# Altium PCB rpi_CM4_CAN_board.PcbDoc
Units mm, origin at the board's own origin, x right, y up, seen from the top; angles counter-clockwise.
Board outline 91.6 x 81.8 mm, 4 copper layers (Top Copper, Signal Layer 1, Signal Layer 2, Bottom Copper), stack 1.57 mm thick; 59 components, 43 nets, 371 pads, 120 vias.
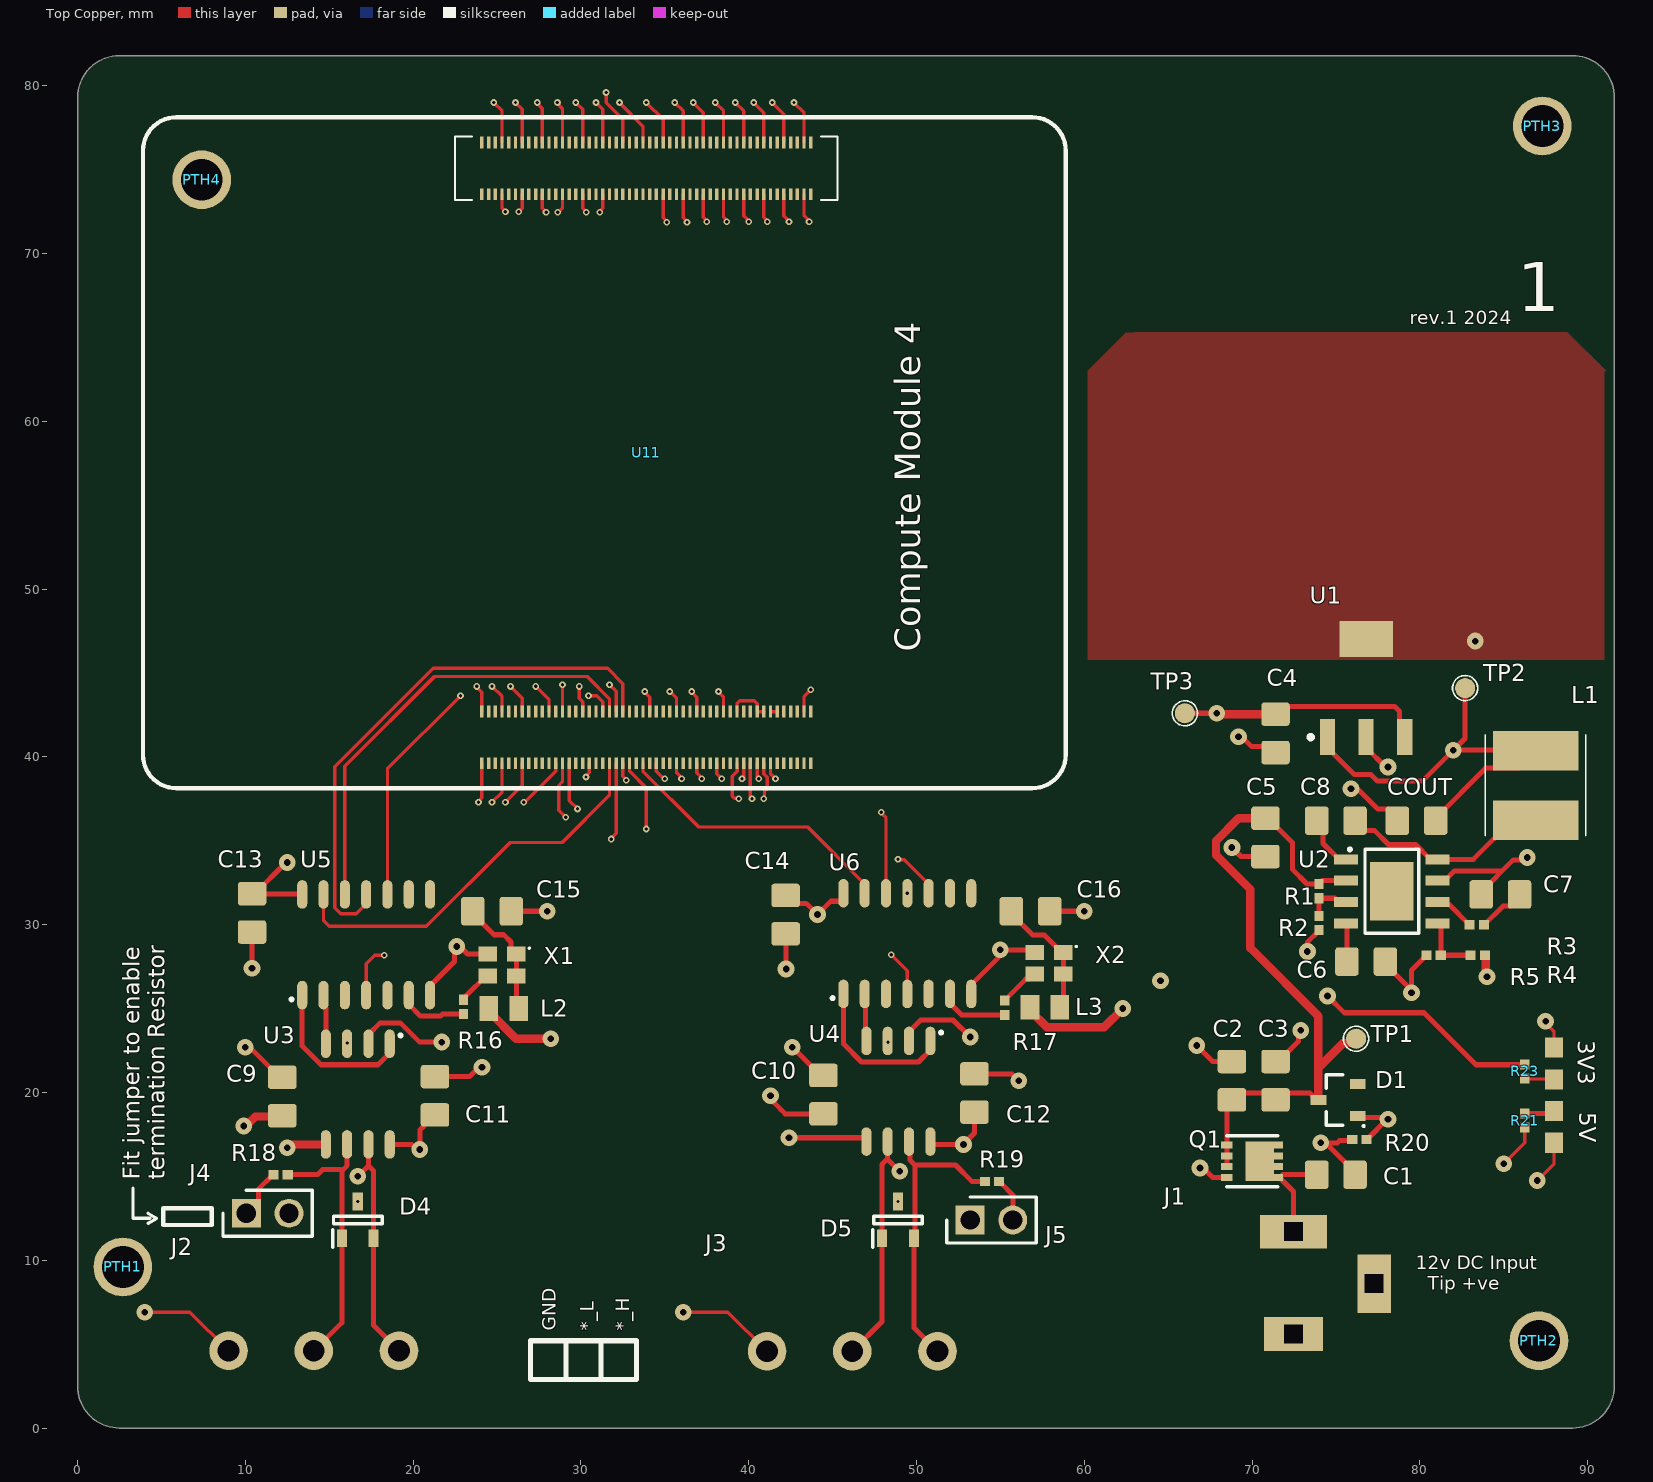
[diagram p0: Top Copper view]
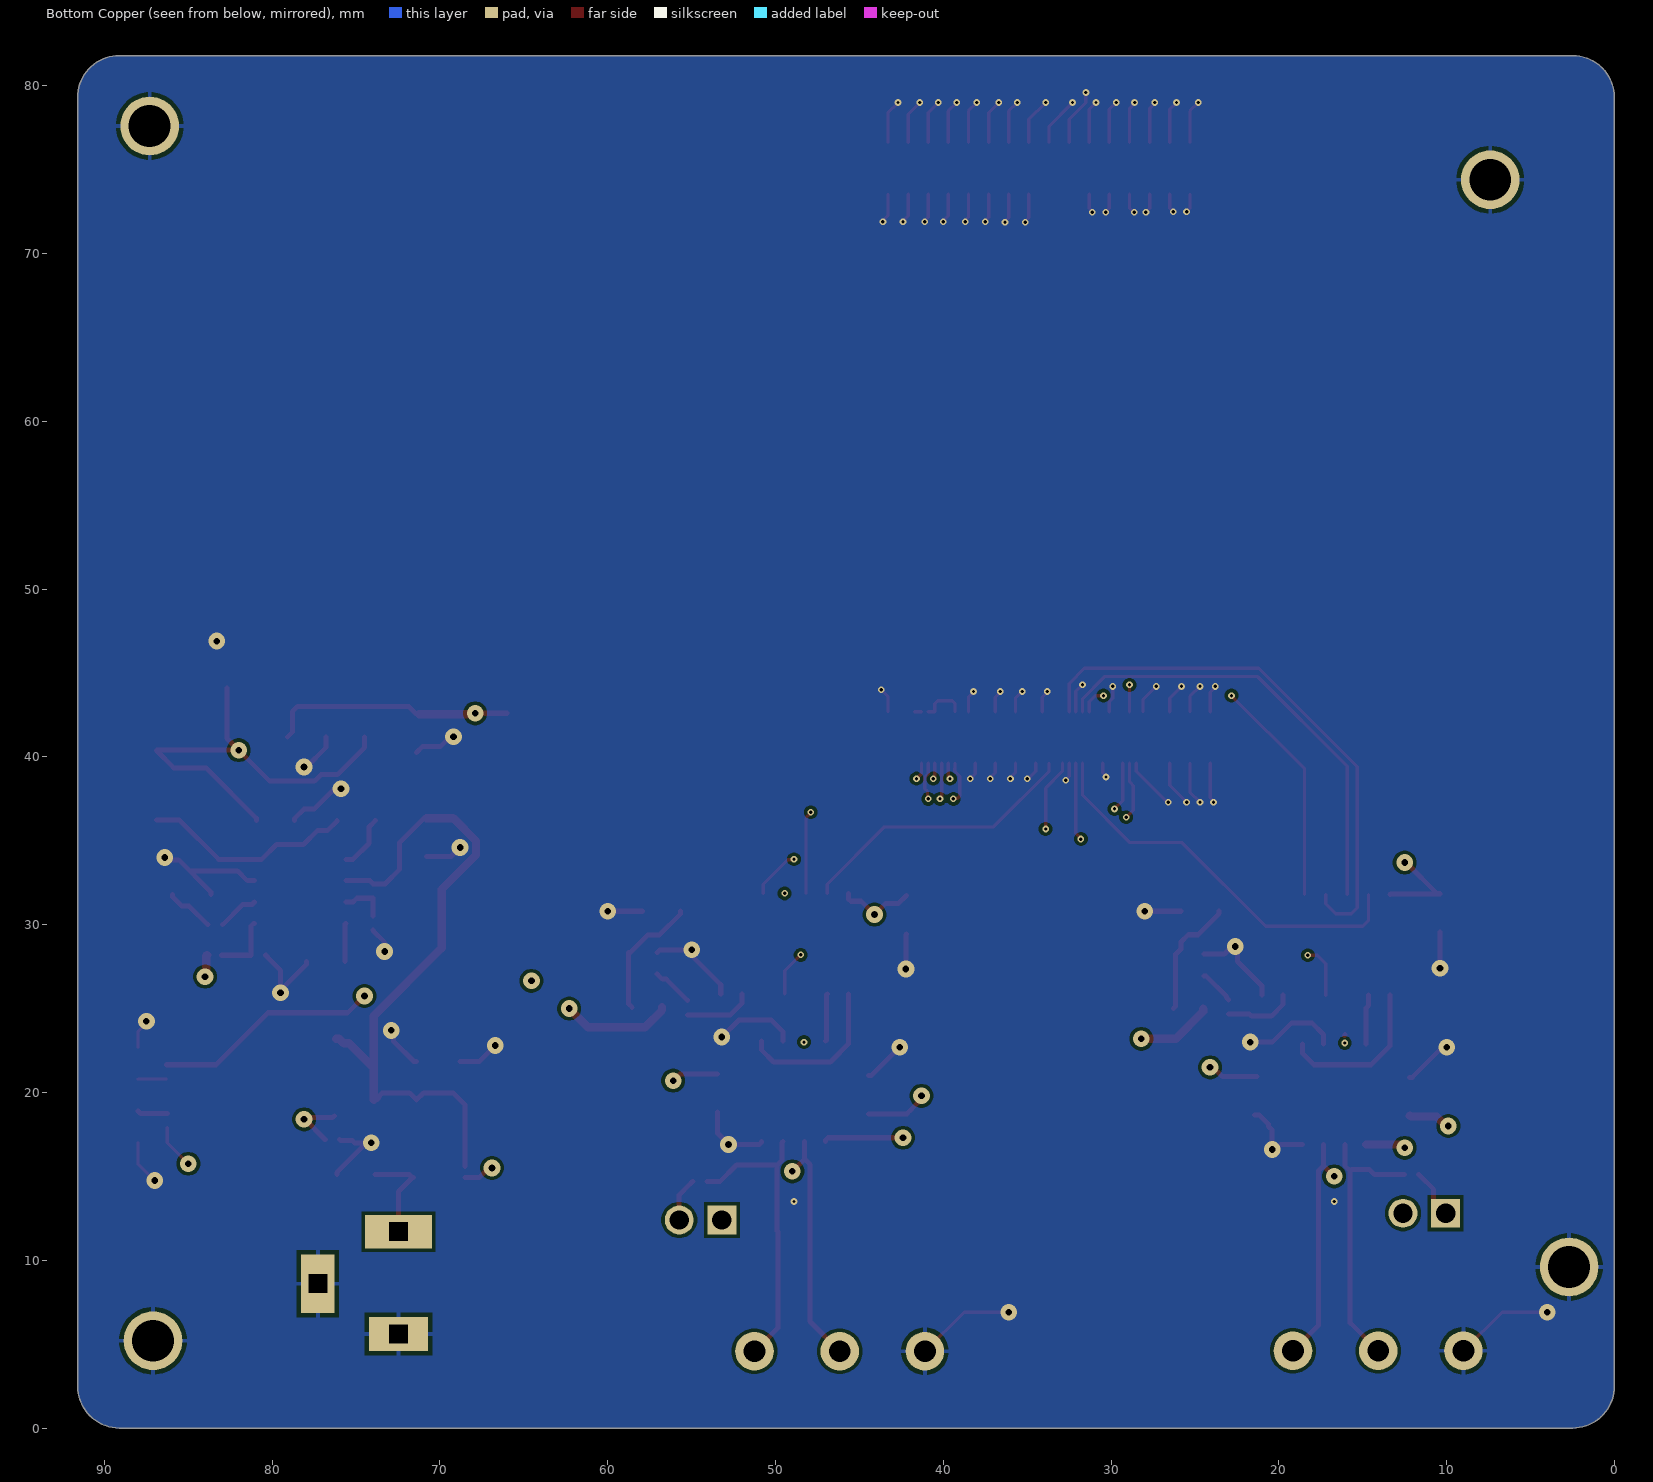
[diagram p1: Bottom Copper view, seen from below]
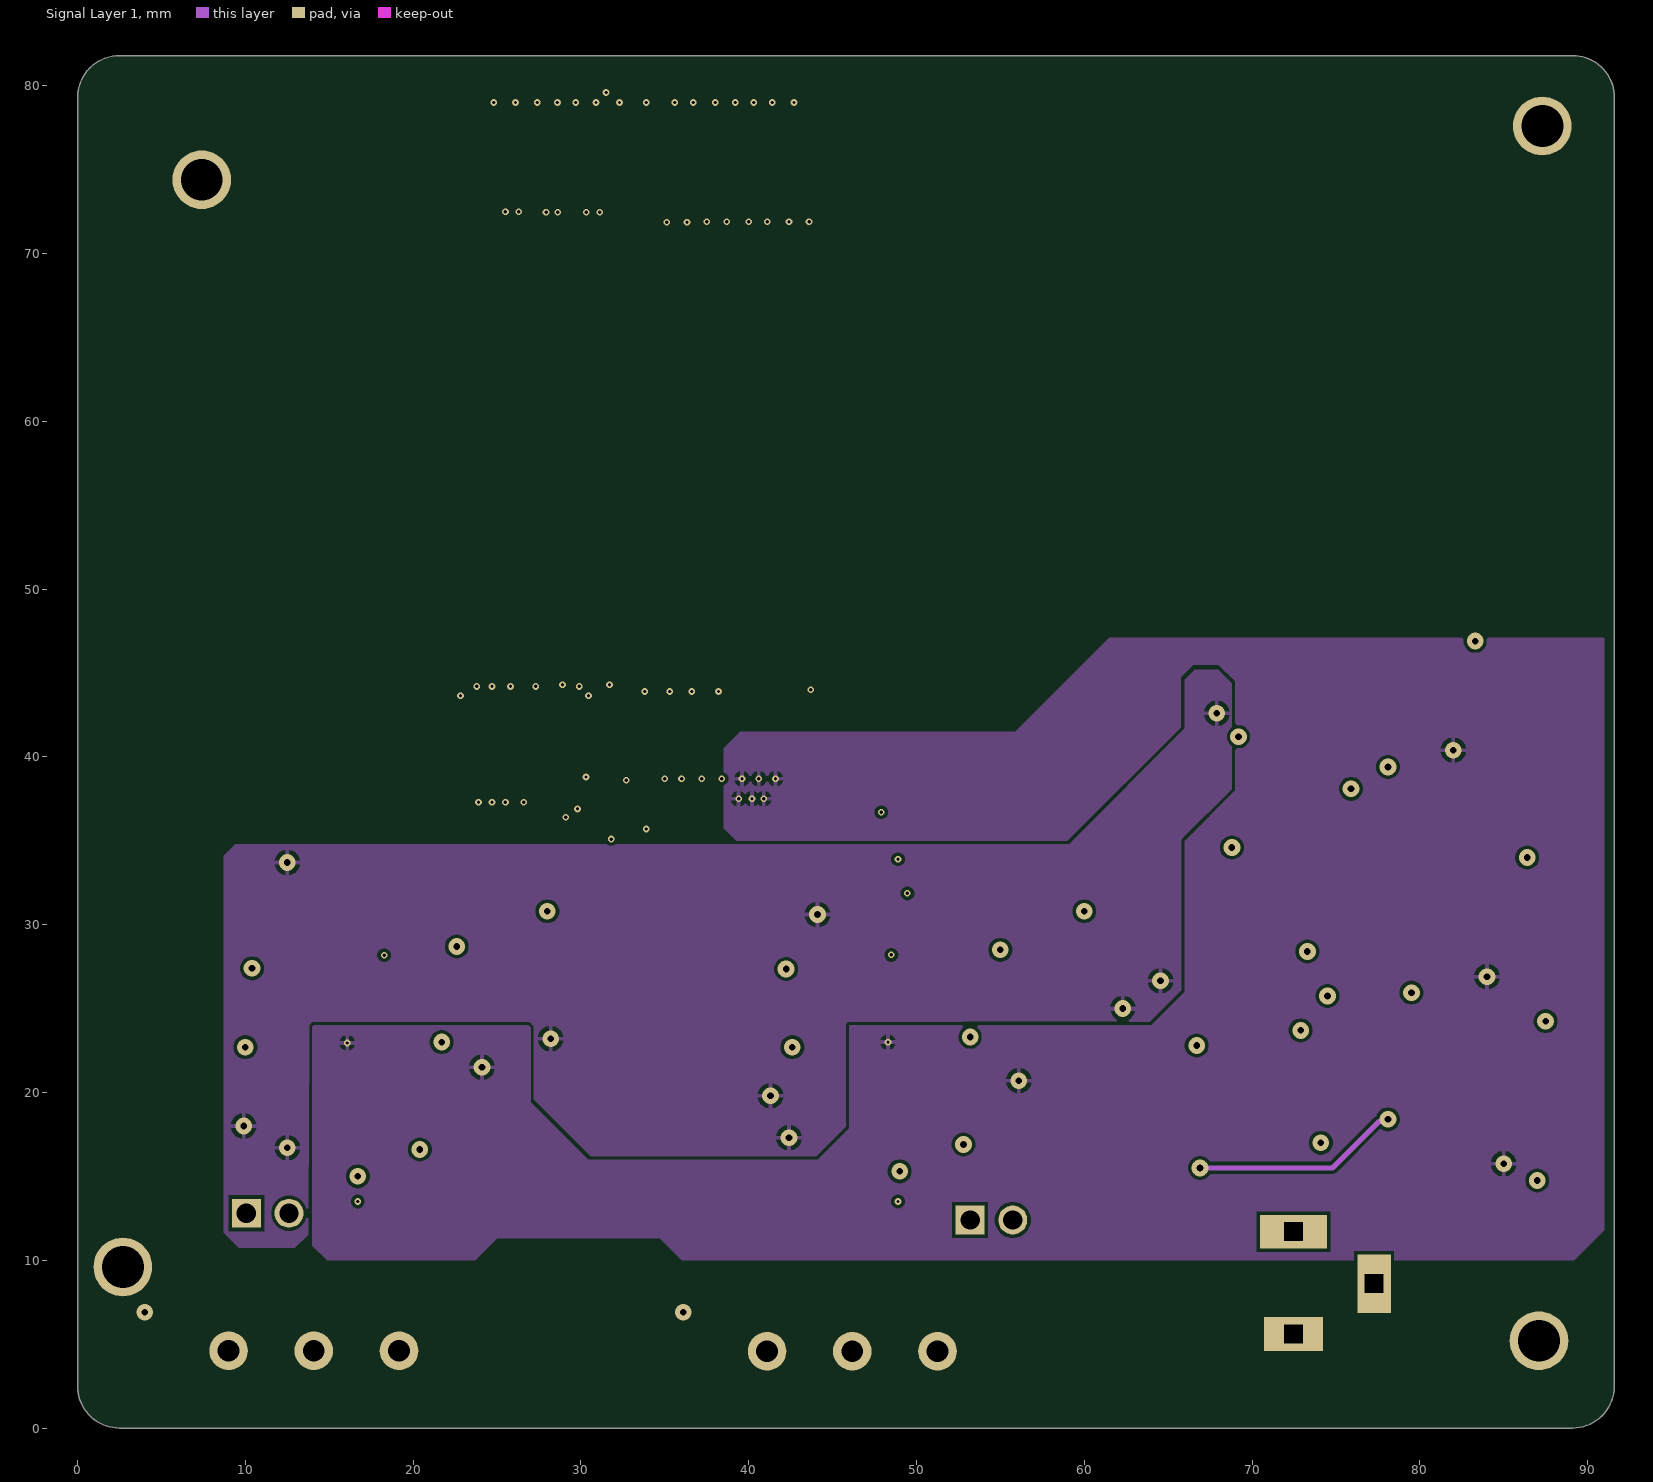
[diagram p2: Signal Layer 1]
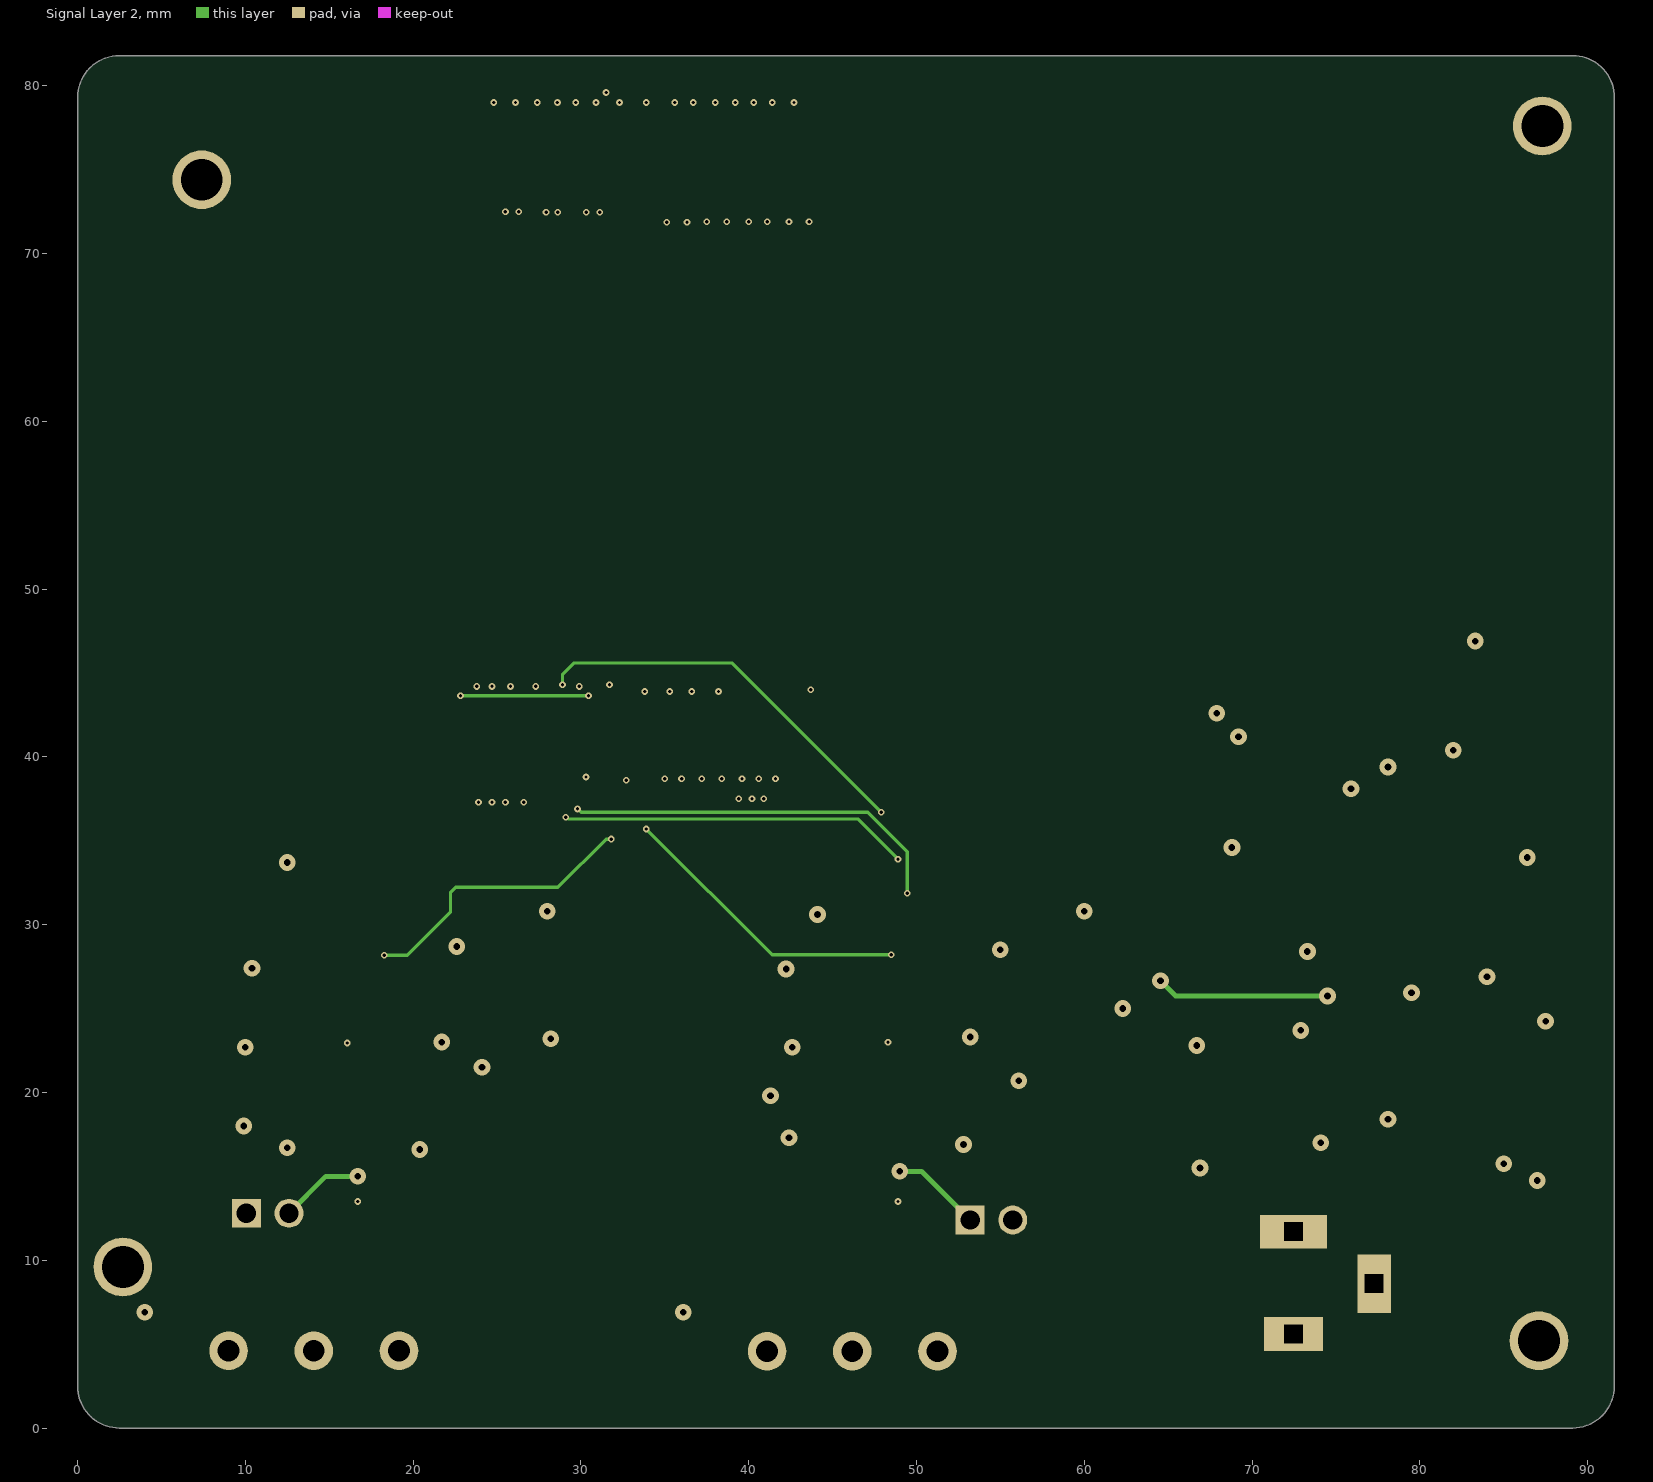
[diagram p3: Signal Layer 2]

## Layer stack, top to bottom
Top Mask: solder mask 0.015, Solder Resist, Dk 3.8
Top Copper: signal copper 0.035
Dielectric 1: prepreg 0.1, 2313, Dk 4.05
Signal Layer 1: signal copper 0.0175
Core: core 1.265, FR-4, Dk 4.5
Signal Layer 2: signal copper 0.0175
Dielectric 2: prepreg 0.1, 2313, Dk 4.05
Bottom Copper: signal copper 0.035
Bottom Mask: solder mask 0.015, Solder Resist, Dk 3.8

## Board outline
0,2.5 ccw(c2.5,2.5) 2.5,0 89.1,0 ccw(c89.1,2.5) 91.6,2.5 91.6,79.3 ccw(c89.1,79.3) 89.1,81.8 2.5,81.8 ccw(c2.5,79.3) 0,79.3

## Design rules (kind name [scope] priority, off if disabled: settings)
Clearance [All] p1: gap=0.2 ignorepadtopadclearanceinfootprint=FALSE
HoleSize [All] p1: absolutevalues=TRUE maxlimit=3.5 minlimit=0.025 maxpercent=80.000 minpercent=20.000
MinimumSolderMaskSliver [All] p1: minsoldermaskwidth=0.1
PlaneConnect [All] p1: planeconnectstyle=Relief reliefexpansion=0.508 reliefentries=2 reliefconductorwidth=0.254 reliefairgap=0.254
PolygonConnect PolygonConnect_1 [InNet('GND')] p1: connectstyle=Direct reliefconductorwidth=0 reliefentries=4 polygonreliefangle="90 Angle" airgapwidth=0
PolygonConnect [All] p2: connectstyle=Relief reliefconductorwidth=0.254 reliefentries=4 polygonreliefangle="90 Angle" airgapwidth=0.254
RoutingVias RoutingVias_1 [All] p1: holewidth=0.4 width=1 viastyle="Through Hole" minholewidth=0.4 minwidth=1 maxholewidth=0.4 maxwidth=1
RoutingVias RoutingVias_2 [All] p2: holewidth=0.2 width=0.4 viastyle="Through Hole" minholewidth=0.2 minwidth=0.4 maxholewidth=0.2 maxwidth=0.4
RoutingVias [All] p3: holewidth=0.4 width=0.5 viastyle="Through Hole" minholewidth=0.4 minwidth=0.5 maxholewidth=0.4 maxwidth=0.5
SilkToSolderMaskClearance [IsPad] p1: minsilkscreentomaskgap=0.095 clearancetoexposedcopper=TRUE
SolderMaskExpansion [All] p1: expansion=0.05 istentingtop=FALSE
Width WidthPWR [All] p1: maxlimit=0.5 minlimit=0.2 preferedwidth=0.3 midlayer1_maxwidth=0.3 midlayer2_maxwidth=0.3 bottomlayer_maxwidth=0.3 minimp=50.000000 maximp=50.000000 favimp=50.000000
Width [All] p2: maxlimit=0.2 minlimit=0.1 preferedwidth=0.2
Width Width_5V [All] p3: maxlimit=1 minlimit=0.254 preferedwidth=1 toplayer_minwidth=1 midlayer1_maxwidth=0.254 midlayer1_prefwidth=0.254 midlayer2_maxwidth=0.254 midlayer2_prefwidth=0.254 bottomlayer_minwidth=1 minimp=50.000000 maximp=50.000000 favimp=50.000000
26 further rules are at their usual default settings.

## Components (designator, comment, footprint, x,y, rotation, side; value= is the part's Value field where it differs from the comment)
3V3 "led" LED_fp 88,21.725 r270 top
5V "led" LED_fp 88,17.95 r90 top
C1 "100n" CAP_0805 75,15.1 r180 top
C2 "100n" CAP_0805 68.8,20.7 r270 top
C3 "10u" CAP_0805 71.4,20.7 r270 top
C4 "0.1uF" CAP_0805 71.4,41.4 r90 top
C5 "10uF" CAP_0805 70.8,35.2 r90 top
C6 "10nF" CAP_0805 76.8,27.8 r180 top
C7 "2.7nF" CAP_0805 84.8,31.8 r0 top
C8 "100nF" CAP_0805 75,36.2 r180 top
C9 "100nF" CAP_0805 12.2,19.757 r270 top
C10 "100nF" CAP_0805 44.455,19.869 r270 top
C11 "100nF" CAP_0805 21.3,19.8 r90 top
C12 "100nF" CAP_0805 53.455,19.969 r90 top
C13 "100nF" CAP_0805 10.4,30.7 r270 top
C14 "100nF" CAP_0805 42.2,30.6 r270 top
C15 "100nF" CAP_0805 24.7,30.8 r0 top
C16 "100nF" CAP_0805 56.8,30.8 r0 top
COUT "COUT" CAP_0805 79.8,36.2 r0 top
D1 "MMBZ52" MMBZ52 75.125,19.55 r180 top
D4 "PESD2CANFD27L-TR" SOT95P230X110-3N 16.7,12.4 r90 top
D5 "PESD2CANFD27L-TR" SOT95P230X110-3N 48.9,12.4 r90 top
J1 "Barrel_Jack" "power jack" 72.474,8.601 r270 top
J2 "CAN_CONN" Terminal 14.08,4.6 r0 top
J3 "CAN_CONN" Terminal 46.175,4.569 r0 top
J4 "2-way-pin-header" HDRV2W66P0X254_1X2_508X249X1067P 10.06,12.8 r0 top
J5 "2-way-pin-header" HDRV2W66P0X254_1X2_508X249X1067P 53.2,12.4 r0 top
L1 "3.3uH" SRN6045TA330M 86.9,38.3 r0 top
L2 "220R 2A" L_0805 25.4,25 r180 top
L3 "220R 2A" L_0805 57.655,25.069 r180 top
PTH1 "PTH?" mh_fp 2.7,9.6 r0 top
PTH2 "PTH?" mh_fp 87.1,5.2 r0 top
PTH3 "PTH?" mh_fp 87.3,77.6 r0 top
PTH4 "PTH?" mh_fp 7.4,74.4 r0 top
Q1 "Q1" DMP3036SFV7 70,15.9 r270 top
R1 "R3_value" RES0402 74,32 r90 top
R2 "R4_value" RES0402 74,30.1 r90 top
R3 "15.8K" RES0402 83.4,30 r180 top
R4 "115K" RES0402 83.453,28.176 r0 top
R5 "22.1K" RES0402 80.825,28.176 r0 top
R16 "33R" RES0402 23,25.1 r270 top
R17 "33R" RES0402 55.255,25.044 r270 top
R18 "120R" RES0402 12.1,15.1 r180 top
R19 "120R" RES0402 54.5,14.7 r0 top
R20 "1k" RES0402 76.4,17.2 r0 top
R21 "2.2k" RES0402 86.25,18.325 r270 top
R23 "1k" RES0402 86.25,21.25 r90 top
TP1 "TestPoint" Test_point 76.2,23.2 r0 top
TP2 "test_point" Test_point 82.7,44.1 r90 top
TP3 "test_point" Test_point 66,42.6 r0 top
U1 "Regulator" TC1108 76.8,44.1 r90 top locked
U2 "AP64501WU-7" AP60501 78.329,31.986 r0 top
U3 "MCP2558" MCP2557_SOIC8 16.7,19.9 r270 top
U4 "MCP2558" MCP2557_SOIC8 48.92,20.069 r270 top
U5 "MCP2517FD-H/SL" MCP2517FD_SOIC14 17.2,28.8 r90 top
U6 "MCP2517FD-H/SL" MCP2517FD_SOIC14 49.455,28.869 r90 top
U11 "Compute Module Connectors" CM4-DF40HC(3.0)-100DS-0.4v_3mm_1.5mm_NO_Outline-3D 31.4,58.12 r270 top
X1 "SG-210STF" Osc 25.3,27.6 r180 top
X2 "SG-210STF" Osc 57.9,27.7 r180 top